# Altium PCB MAIN-VNH7070.PcbDoc (part 2 of 2)
Units mm, origin at the board's own origin, x right, y up, seen from the top; angles counter-clockwise.
Board outline 112.62 x 130 mm, 2 copper layers (Top Layer, Bottom Layer), stack 1.581 mm thick; 108 components, 95 nets, 431 pads, 926 vias.
Unrouted connection lines stored in the file: 8.
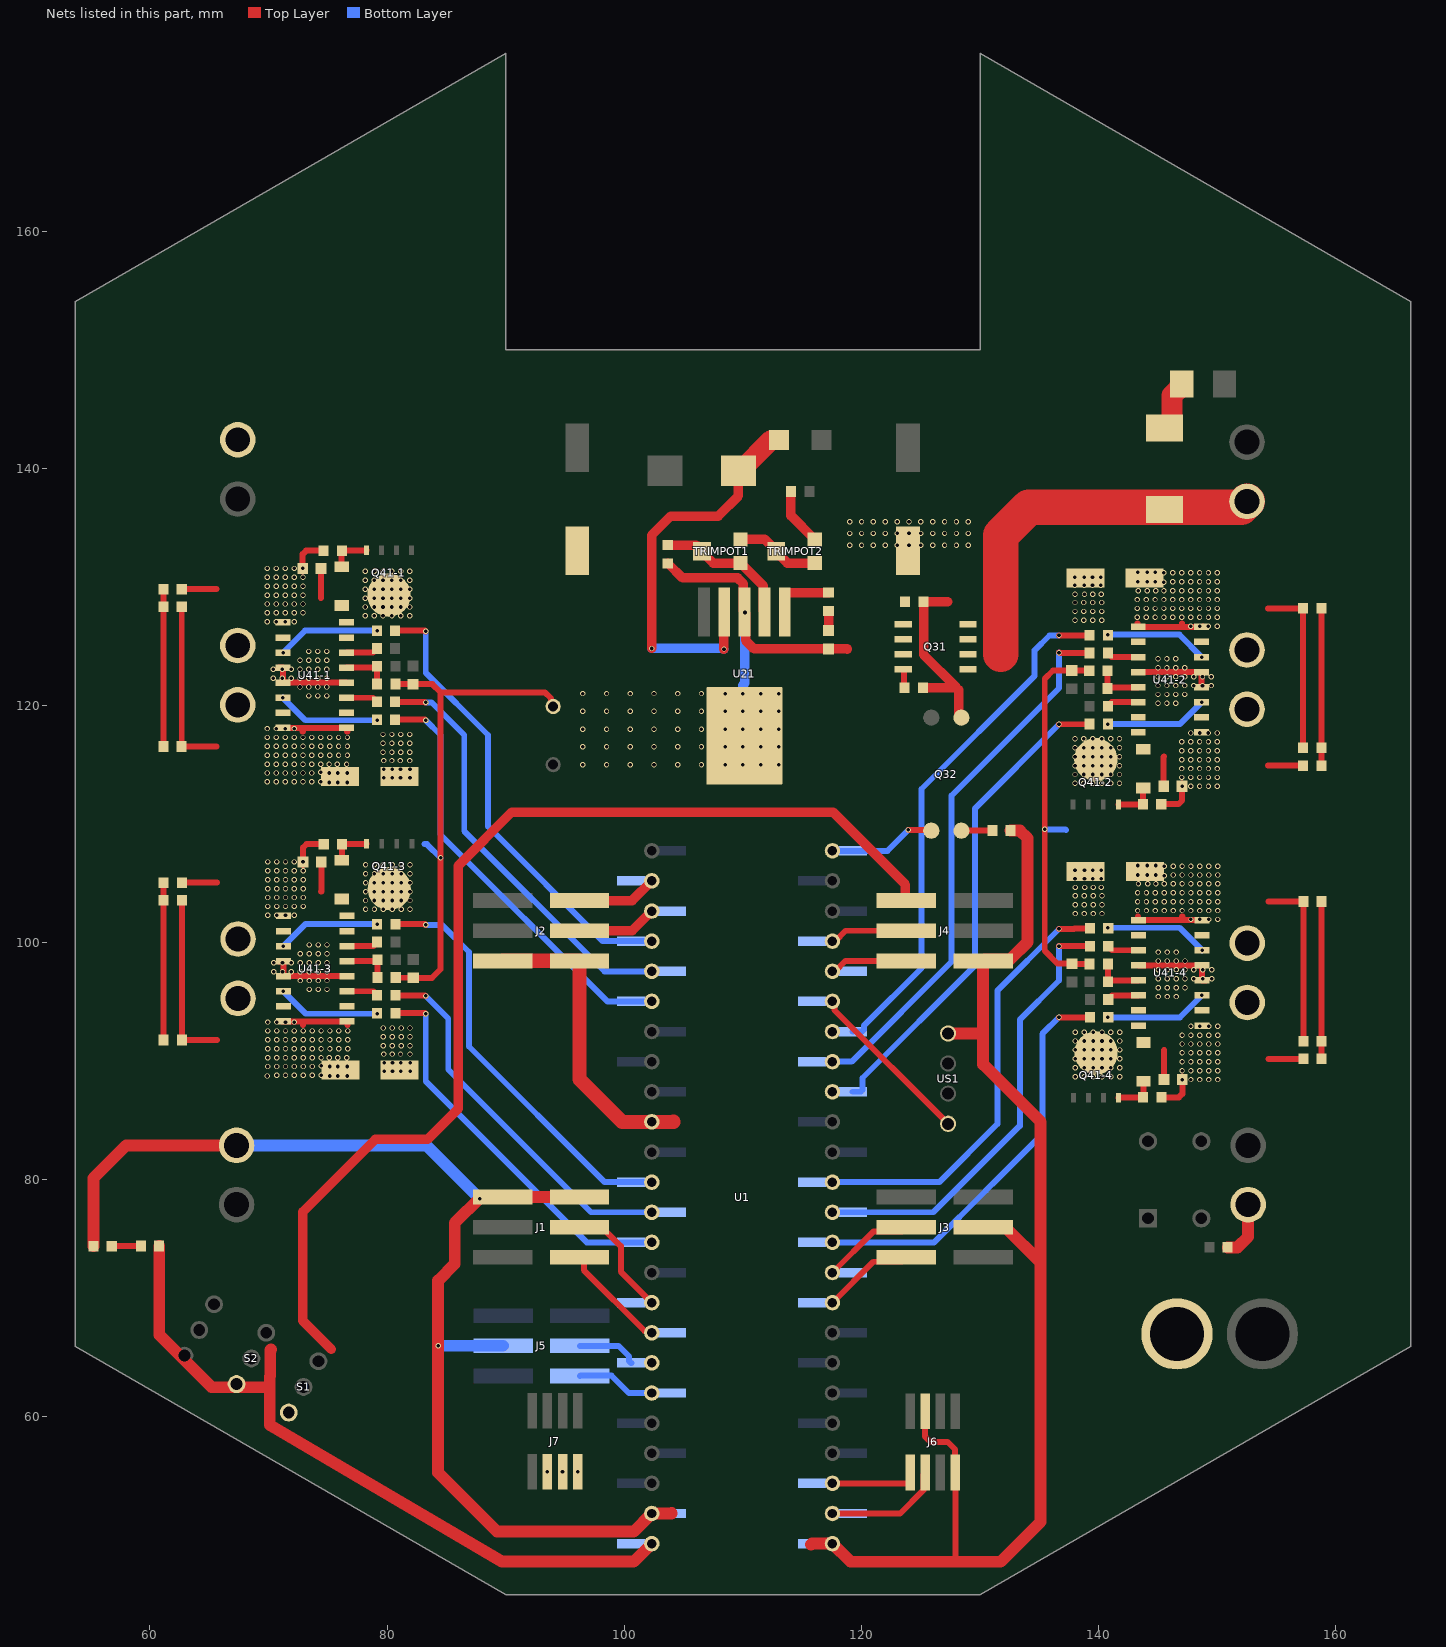
[diagram p2: the nets of this part, all layers, seen from the top]

## Via types
v1: diameter 0.45, hole 0.3, Top Layer to Bottom Layer, tented both sides, 918 vias
v2: diameter 6, hole 3, Top Layer to Bottom Layer, 8 vias

## Nets (pads, with @x,y where several pads share a name; then routed paths per layer and width w, separated by ;. In a path a pad name is that pad's centre, name@x,y a point inside that pad or via, vN(x,y) a via of type N, cw(c..) or ccw(c..) an arc to the next point about the centre after c; other vN are vias at no path point) (continued)
GND: BZ.2 C1.1 C2.1 C3.1 C41-1.1 C41-2.1 C41-3.1 C41-4.1 C42-1.1 C42-2.1 C42-3.1 C42-4.1 C43-1.2 C43-2.2 C43-3.2 C43-4.2 J1.3 J1.4 J2.1 J2.6 J3.5 J4.4 J5.2 J6.4 J6.7 J7.6 J7.7 J7.8 Q31.S R00.2 R01.2 R22.1 R32.1 R33.1 R47-1.1 R47-2.1 R47-3.1 R47-4.1 R48-1.1 R48-2.1 R48-3.1 R48-4.1 U1.GND U1.GND1 U1.GND3 U21.3 U21.6 U41-1.1 U41-1.8 U41-1.9 U41-1.16 U41-2.1 U41-2.8 U41-2.9 U41-2.16 U41-3.1 U41-3.8 U41-3.9 U41-3.16 U41-4.1 U41-4.8 U41-4.9 U41-4.16 US1.VCC XT1.N XT2.N XT3.N XT31.N | length 381.1
  Top Layer w0.5: U41-1.8@71.1,118.08 71.125,118.105 U41-1.8@71.225,118.105 U41-1.9@76.575,118.105 ; U41-3.8@71.125,93.33 71.15,93.355 U41-3.8@71.25,93.355 U41-3.9@76.6,93.355 ; 72.875,117.8 72.888,117.812 ; C43-1.2@72.875,131.3 C43-1.2@72.888,131.312 ; v1(72.875,131.55) 72.875,132.757 73.168,133.05 R48-1.1@74.625,133.05 R48-1.1@74.613,133.037 ; 72.9,93.05 72.913,93.062 ; C43-3.2@72.9,106.55 C43-3.2@72.913,106.562 ; v1(72.9,106.8) 72.9,108.007 73.193,108.3 R48-3.1@74.65,108.3 R48-3.1@74.638,108.287 ; 76.625,117.8 76.638,117.812 ; 76.65,93.05 76.663,93.062 ; R47-1.1@80.7,121.8 80.713,121.788 83.812,121.788 84.5,121.1 ; R47-3.1@80.725,97.05 80.738,97.038 82.188,97.038 C41-3.1@82.2,97.025 83.775,97.025 84.5,97.75 v1(84.5,107.15) 84.5,121.1 ; BZ.2@94.1,119.913 94.1,120.124 93.811,120.413 93.811,120.589 93.3,121.1 84.5,121.1 ; J6.7@125.365,60.486 125.365,58.335 125.8,57.9 127.25,57.9 127.89,57.26 127.89,55.329 J6.4@127.905,55.314 127.905,47.795 ; R47-2.1@139.2,122.925 139.187,122.937 136.138,122.937 135.45,122.25 v1(135.45,109.55) 135.45,99.3 136.525,98.225 C41-4.1@137.75,98.225 137.762,98.212 139.212,98.212 R47-4.1@139.225,98.2 ; 143.262,126.913 143.275,126.925 ; 143.287,102.188 143.3,102.2 ; U41-2.9@143.325,126.62 U41-2.8@148.675,126.62 148.775,126.62 U41-2.8@148.8,126.645 ; U41-4.9@143.35,101.895 U41-4.8@148.7,101.895 148.8,101.895 U41-4.8@148.825,101.92 ; R48-2.1@145.287,111.688 R48-2.1@145.275,111.675 146.732,111.675 147.025,111.968 v1(147.025,113.175) ; R48-4.1@145.312,86.963 R48-4.1@145.3,86.95 146.757,86.95 147.05,87.243 v1(147.05,88.45) ; C43-2.2@147.012,113.413 C43-2.2@147.025,113.425 ; 147.012,126.913 147.025,126.925 ; C43-4.2@147.037,88.688 C43-4.2@147.05,88.7 ; 147.037,102.188 147.05,102.2
  Top Layer w0.8: R22.1@103.65,131.975 103.675,131.95 103.7,131.95 104.904,130.746 109.551,130.746 110.02,130.277 110.02,127.985 U21.3@110.12,127.885 v1(110.17,127.835) 110.22,127.785 110.22,125.48 110.94,124.76 C2.1@117.195,124.76 ; C2.1@117.22,124.76 118.79,124.76 118.8,124.75
  Top Layer w1: R01.2@55.225,74.4 55.225,80.125 58,82.9 XT1.N@67,82.9 ; J1.3@96.225,78.54 J1.4@89.75,78.54 87.875,78.54 85.7,76.365 85.7,72.9 84.3,71.5 v1(84.3,66) 84.3,55.3 89.27,50.33 100.78,50.33 U1.GND@102.31,51.86 103.96,51.86 104,51.9 ; 115.75,49.25 115.82,49.32 U1.GND1@117.55,49.32 119.075,47.795 127.905,47.795 ; US1.VCC@127.3,92.34 130.21,92.34 130.25,92.3 ; 127.905,47.79 131.724,47.79 135.101,51.168 135.101,73.024 ; J3.5@130.25,76 132.125,76 135.101,73.024 ; R33.1@132.575,109.45 133.35,109.45 134,108.8 134,100.05 132.535,98.585 130.375,98.585 J4.4@130.25,98.46 130.25,92.3 ; R00.2@150.875,74.3 151.7,74.3 152.6,75.2 XT3.N@152.6,77.9 ; 130.25,92.3 130.25,89.73 135.101,84.878 135.101,73.024
  Top Layer w1.2: J2.6@89.75,98.46 J2.1@96.225,98.46 96.225,88.475 99.82,84.88 U1.GND3@102.31,84.88 104.13,84.88 104.15,84.9
  Bottom Layer w0.5: 83.15,108.3 83.35,108.3 v1(84.5,107.15) ; v1(135.45,109.55) 137.2,109.55 137.25,109.5
  Bottom Layer w0.8: v1(110,121) 109.981,121.019 109.981,121.681 110.17,121.87 v1(110.17,127.835)
  Bottom Layer w1: XT1.N@67,82.9 XT1.N@67.3,82.9 83.3,82.9 v1(87.8,78.4) ; v1(84.3,66) J5.2@89.775,66
  other v1: 93.515,55.364 94.785,55.364 96.055,55.364 147.775,88.45 148.525,88.45 149.275,88.45 150.025,88.45 69.9,88.75 75.15,88.75 75.85,88.75 76.65,88.75 70.675,88.8 71.425,88.8 72.175,88.8 72.925,88.8 73.675,88.8 74.425,88.8 147.025,89.2 147.775,89.2 148.525,89.2 149.275,89.2 150.025,89.2 69.925,89.55 70.675,89.55 71.425,89.55 72.175,89.55 72.925,89.55 73.675,89.55 75.15,89.55 75.85,89.55 76.65,89.55 74.425,89.6 147.025,89.95 147.775,89.95 148.525,89.95 149.275,89.95 150.025,89.95 69.925,90.3 70.675,90.3 71.425,90.3 72.175,90.3 72.925,90.3 73.675,90.3 74.425,90.3 75.125,90.3 75.825,90.3 76.6,90.3 147.025,90.7 147.775,90.7 148.525,90.7 149.275,90.7 150.025,90.7 69.925,91.05 70.675,91.05 71.425,91.05 72.175,91.05 72.925,91.05 73.675,91.05 74.425,91.05 75.175,91.05 75.925,91.05 76.675,91.05 147.025,91.45 147.775,91.45 148.525,91.45 149.275,91.45 150.025,91.45 69.925,91.8 70.675,91.8 71.425,91.8 72.175,91.8 72.925,91.8 73.675,91.8 74.425,91.8 75.175,91.8 75.925,91.8 76.675,91.8 147.025,92.2 147.775,92.2 148.525,92.2 149.275,92.2 150.025,92.2 69.925,92.55 70.675,92.55 71.425,92.55 72.175,92.55 72.925,92.55 73.675,92.55 74.425,92.55 75.175,92.55 75.925,92.55 76.675,92.55 147.775,92.95 148.525,92.95 149.275,92.95 150.025,92.95 69.925,93.3 70.675,93.3 71.425,93.3 72.175,93.3 147.775,101.95 148.525,101.95 149.275,101.95 150.025,101.95 69.925,102.3 70.675,102.3 71.425,102.3 72.175,102.3 143.275,102.7 144.025,102.7 144.775,102.7 145.525,102.7 146.275,102.7 147.025,102.7 147.775,102.7 148.525,102.7 149.275,102.7 150.025,102.7 69.925,103.05 70.675,103.05 71.425,103.05 72.175,103.05 72.925,103.05 143.275,103.45 144.025,103.45 144.775,103.45 145.525,103.45 146.275,103.45 147.025,103.45 147.775,103.45 148.525,103.45 149.275,103.45 150.025,103.45 69.925,103.8 70.675,103.8 71.425,103.8 72.175,103.8 72.925,103.8 143.275,104.2 144.025,104.2 144.775,104.2 145.525,104.2 146.275,104.2 147.025,104.2 147.775,104.2 148.525,104.2 149.275,104.2 150.025,104.2 69.925,104.55 70.675,104.55 71.425,104.55 72.175,104.55 72.925,104.55 143.35,104.95 144.125,104.95 144.825,104.95 145.525,104.95 146.275,104.95 147.025,104.95 147.775,104.95 148.525,104.95 149.275,104.95 150.025,104.95 69.925,105.3 70.675,105.3 71.425,105.3 72.175,105.3 72.925,105.3 145.525,105.65 143.3,105.7 144.1,105.7 144.8,105.7 146.275,105.7 147.025,105.7 147.775,105.7 148.525,105.7 149.275,105.7 150.025,105.7 69.925,106.05 70.675,106.05 71.425,106.05 72.175,106.05 72.925,106.05 145.525,106.45 146.275,106.45 147.025,106.45 147.775,106.45 148.525,106.45 149.275,106.45 150.025,106.45 143.3,106.5 144.1,106.5 144.8,106.5 69.925,106.8 70.675,106.8 71.425,106.8 72.175,106.8 147.75,113.175 148.5,113.175 149.25,113.175 150,113.175 75.125,113.5 75.825,113.5 76.625,113.5 69.9,113.55 70.65,113.55 71.4,113.55 72.15,113.55 72.9,113.55 73.65,113.55 74.4,113.55 147,113.925 147.75,113.925 148.5,113.925 149.25,113.925 150,113.925 69.9,114.3 70.65,114.3 71.4,114.3 72.15,114.3 72.9,114.3 73.65,114.3 75.125,114.3 75.825,114.3 76.625,114.3 74.4,114.35 147,114.675 147.75,114.675 148.5,114.675 149.25,114.675 150,114.675 96.5,115 98.5,115 100.5,115 102.5,115 104.5,115 106.5,115 108.5,115 110,115 111.5,115 113,115 69.9,115.05 70.65,115.05 71.4,115.05 72.15,115.05 72.9,115.05 73.65,115.05 74.4,115.05 75.1,115.05 75.8,115.05 76.575,115.05 147,115.425 147.75,115.425 148.5,115.425 149.25,115.425 150,115.425 69.9,115.8 70.65,115.8 71.4,115.8 72.15,115.8 72.9,115.8 73.65,115.8 74.4,115.8 75.15,115.8 75.9,115.8 76.65,115.8 147,116.175 147.75,116.175 148.5,116.175 149.25,116.175 150,116.175 96.5,116.5 98.5,116.5 100.5,116.5 102.5,116.5 104.5,116.5 106.5,116.5 108.5,116.5 110,116.5 111.5,116.5 113,116.5 69.9,116.55 70.65,116.55 71.4,116.55 72.15,116.55 72.9,116.55 73.65,116.55 74.4,116.55 75.15,116.55 75.9,116.55 76.65,116.55 147,116.925 147.75,116.925 148.5,116.925 149.25,116.925 150,116.925 69.9,117.3 70.65,117.3 71.4,117.3 72.15,117.3 72.9,117.3 73.65,117.3 74.4,117.3 75.15,117.3 75.9,117.3 76.65,117.3 147.75,117.675 148.5,117.675 149.25,117.675 150,117.675 96.5,118 98.5,118 100.5,118 102.5,118 104.5,118 106.5,118 108.5,118 110,118 111.5,118 113,118 69.9,118.05 70.65,118.05 71.4,118.05 72.15,118.05 96.5,119.5 98.5,119.5 100.5,119.5 102.5,119.5 104.5,119.5 106.5,119.5 108.5,119.5 110,119.5 111.5,119.5 113,119.5 96.5,121 98.5,121 100.5,121 102.5,121 104.5,121 106.5,121 108.5,121 111.5,121 113,121 147.75,126.675 148.5,126.675 149.25,126.675 150,126.675 69.9,127.05 70.65,127.05 71.4,127.05 72.15,127.05 143.25,127.425 144,127.425 144.75,127.425 145.5,127.425 146.25,127.425 147,127.425 147.75,127.425 148.5,127.425 149.25,127.425 150,127.425 69.9,127.8 70.65,127.8 71.4,127.8 72.15,127.8 72.9,127.8 143.25,128.175 144,128.175 144.75,128.175 145.5,128.175 146.25,128.175 147,128.175 147.75,128.175 148.5,128.175 149.25,128.175 150,128.175 69.9,128.55 70.65,128.55 71.4,128.55 72.15,128.55 72.9,128.55 143.25,128.925 144,128.925 144.75,128.925 145.5,128.925 146.25,128.925 147,128.925 147.75,128.925 148.5,128.925 149.25,128.925 150,128.925 69.9,129.3 70.65,129.3 71.4,129.3 72.15,129.3 72.9,129.3 143.325,129.675 144.1,129.675 144.8,129.675 145.5,129.675 146.25,129.675 147,129.675 147.75,129.675 148.5,129.675 149.25,129.675 150,129.675 69.9,130.05 70.65,130.05 71.4,130.05 72.15,130.05 72.9,130.05 145.5,130.375 143.275,130.425 144.075,130.425 144.775,130.425 146.25,130.425 147,130.425 147.75,130.425 148.5,130.425 149.25,130.425 150,130.425 69.9,130.8 70.65,130.8 71.4,130.8 72.15,130.8 72.9,130.8 145.5,131.175 146.25,131.175 147,131.175 147.75,131.175 148.5,131.175 149.25,131.175 150,131.175 143.275,131.225 144.075,131.225 144.775,131.225 69.9,131.55 70.65,131.55 71.4,131.55 72.15,131.55 119,133.5 120,133.5 121,133.5 122,133.5 123,133.5 124,133.5 125,133.5 126,133.5 127,133.5 128,133.5 129,133.5 119,134.5 120,134.5 121,134.5 122,134.5 123,134.5 124,134.5 125,134.5 126,134.5 127,134.5 128,134.5 129,134.5 119,135.5 120,135.5 121,135.5 122,135.5 123,135.5 124,135.5 125,135.5 126,135.5 127,135.5 128,135.5 129,135.5
INA-1: R41-1.1 U1.36 | length 39
  Top Layer w0.5: R41-1.1@80.675,126.3 83.173,126.3 83.223,126.25 v1(83.25,126.25)
  Bottom Layer w0.5: v1(83.25,126.25) 83.25,122.75 88.5,117.5 88.5,109.8 98.18,100.12 U1.36@100.6,100.12 U1.36@102.31,100.12
INA-2: R41-2.1 U1.24 | length 41.2
  Top Layer w0.5: v1(136.65,118.4) 136.663,118.412 139.212,118.412 R41-2.1@139.225,118.425
  Bottom Layer w0.5: U1.24@119.25,87.42 119.93,87.42 120.08,87.57 120.08,88.58 129.55,98.05 129.55,111.3 v1(136.65,118.4)
INA-3: R41-3.1 U1.14 | length 35.3
  Top Layer w0.5: R41-3.1@80.7,101.55 83.173,101.55 83.223,101.5 v1(83.25,101.5)
  Bottom Layer w0.5: v1(83.25,101.5) 84.6,101.5 86.9,99.2 86.9,91.24 98.34,79.8 U1.14@102.31,79.8
INA-4: R41-4.1 U1.9 | length 34.5
  Top Layer w0.5: v1(136.65,93.7) R41-4.1@139.25,93.7
  Bottom Layer w0.5: U1.9@117.55,74.72 126.12,74.72 130.496,79.096 130.496,79.116 131.084,79.704 131.104,79.704 135.25,83.85 135.25,92.3 v1(136.65,93.7)
INB-1: R42-1.1 U1.38 | length 36.4
  Top Layer w0.5: R42-1.1@80.675,118.8 83.173,118.8 83.223,118.75 v1(83.25,118.75)
  Bottom Layer w0.5: v1(83.25,118.75) 84.5,117.5 84.5,109.1 98.56,95.04 U1.38@100.6,95.04 U1.38@102.31,95.04
INB-2: R42-2.1 U1.26 | length 44.1
  Top Layer w0.5: v1(136.65,125.9) 136.663,125.912 139.212,125.912 R42-2.1@139.225,125.925
  Bottom Layer w0.5: U1.26@119.25,92.5 120.05,92.5 120.2,92.65 120.2,93 125.05,97.85 125.05,112.95 134.6,122.5 134.6,124.65 135.85,125.9 v1(136.65,125.9)
INB-3: R42-3.1 U1.16 | length 33
  Top Layer w0.5: R42-3.1@80.7,94.05 83.173,94.05 83.223,94 v1(83.25,94)
  Bottom Layer w0.5: v1(83.25,94) 83.25,88.3 96.83,74.72 U1.16@102.31,74.72
INB-4: R42-4.1 U1.11 | length 37.2
  Top Layer w0.5: v1(136.65,101.15) 137.9,101.15 137.95,101.2 R42-4.1@139.25,101.2
  Bottom Layer w0.5: U1.11@117.55,79.8 126.55,79.8 131.45,84.7 131.45,95.95 v1(136.65,101.15)
MID_3V: DM.A S2.1 U1.VIN | length 61
  Top Layer w1: DM.A@60.776,74.409 60.776,66.924 65.2,62.5 70.1,62.5 ; 70.2,65.7 70.141,65.641 70.141,63.446 70.1,63.405 70.1,62.5 ; U1.VIN@102.31,49.32 102.304,49.32 100.784,47.8 89.707,47.8 70.1,59.315 70.1,62.5
NetC2_2: C2.2 R21.1 | length 1.7
  Top Layer w0.8: C2.2@117.22,126.31 R21.1@117.22,127.96
NetD1_2: D1.2 L1.2 U21.4 | length 34
  Top Layer w0.8: v1(102.3,124.8) 102.3,134.35 103.9,135.95 107.9,135.95 109.62,137.67 L1.2@109.62,139.785 ; v1(108.4,124.75) 108.4,125.275 108.394,125.269 108.394,127.859 U21.4@108.42,127.885
  Top Layer w1.7: L1.2@109.795,139.785 112.395,142.385 D1.2@113.03,142.385
  Bottom Layer w0.8: v1(102.3,124.8) 108.35,124.8 v1(108.4,124.75)
NetD31_C: D31.C D32.C | length 4.5
  Top Layer w1.8: D32.C@145.55,143.38 145.932,143.38 146.177,143.625 146.177,146.127 147,146.95 D31.C@147,147.1
NetD32_A: D32.A Q31.D XT32.N | length 31.7
  Top Layer w3: 131.75,124.3 131.75,134.35 134.1,136.7 D32.A@145.49,136.7 ; D32.A@145.73,136.7 152,136.7 XT32.N@152.5,137.2
NetD41-1_2: D41-1.2 Q41-1.4 R48-1.2 | length 3.4
  Top Layer w0.5: D41-1.2@76.15,131.685 76.163,131.697 76.163,133.037 R48-1.2@76.175,133.05 ; R48-1.2@76.192,133.067 78.228,133.067 Q41-1.4@78.245,133.085
NetD41-2_2: D41-2.2 Q41-2.4 R48-2.2 | length 3.4
  Top Layer w0.5: Q41-2.4@141.655,111.64 141.672,111.658 R48-2.2@143.708,111.658 ; R48-2.2@143.725,111.675 143.737,111.688 143.737,113.028 D41-2.2@143.75,113.04
NetD41-3_2: D41-3.2 Q41-3.4 R48-3.2 | length 3.4
  Top Layer w0.5: D41-3.2@76.175,106.935 76.188,106.948 76.188,108.287 R48-3.2@76.2,108.3 ; R48-3.2@76.217,108.317 78.253,108.317 Q41-3.4@78.27,108.335
NetD41-4_2: D41-4.2 Q41-4.4 R48-4.2 | length 3.4
  Top Layer w0.5: Q41-4.4@141.68,86.915 141.697,86.933 R48-4.2@143.733,86.933 ; R48-4.2@143.75,86.95 143.762,86.963 143.762,88.303 D41-4.2@143.775,88.315
NetD42-1_C: D42-1.C D43-1.A R49-1.1 | length 13.3
  Top Layer w0.5: D43-1.A@61.124,116.541 61.125,116.542 D42-1.C@61.126,128.309 D42-1.C@61.126,128.309 ; D42-1.C@61.126,128.309 R49-1.1@61.125,129.8
NetD42-2_C: D42-2.C D43-2.A R49-2.1 | length 13.3
  Top Layer w0.5: R49-2.1@158.775,114.925 158.774,116.416 158.775,116.417 D43-2.A@158.776,128.184 D43-2.A@158.776,128.184
NetD42-3_C: D42-3.C D43-3.A R49-3.1 | length 13.3
  Top Layer w0.5: D43-3.A@61.149,91.791 61.15,91.792 D42-3.C@61.151,103.559 D42-3.C@61.151,103.559 ; D42-3.C@61.151,103.559 R49-3.1@61.15,105.05
NetD42-4_C: D42-4.C D43-4.A R49-4.1 | length 13.3
  Top Layer w0.5: D42-4.C@158.799,91.691 158.8,91.692 158.8,103.458 D43-4.A@158.801,103.459 ; R49-4.1@158.799,90.201 D42-4.C@158.799,91.691
NetDM_C: DM.C R01.1 | length 2.5
  Top Layer w0.5: R01.1@56.783,74.408 R01.1@56.775,74.4 56.779,74.404 59.222,74.404 DM.C@59.226,74.409
NetQ31_G: Q31.G R31.2 | length 1.6
  Top Layer w0.5: Q31.G@123.524,123.034 123.545,123.034 123.574,123.005 123.574,121.551 R31.2@123.625,121.5
NetQ32_2: Q32.2 R33.2 | length 2.6
  Top Layer w0.3: R33.2@131.01,109.435 R33.2@131.025,109.45
  Top Layer w0.5: Q32.2@128.42,109.435 R33.2@131.01,109.435
NetQ32_3: Q32.3 R31.1 R32.2 | length 15.7
  Top Layer w0.8: R31.1@125.175,121.5 128,121.5 125.225,124.275 R32.2@125.225,128.75 127.275,128.75 ; 128.2,121.3 128.2,119.339 128.42,119.119 Q32.3@128.42,118.965
NetR21_2: R21.2 U21.1 | length 5.3
  Top Layer w0.8: U21.1@113.52,127.885 113.52,129.41 113.62,129.51 R21.2@117.22,129.51
NetR22_2: R22.2 TRIMPOT1.1 TRIMPOT1.2 U21.2 | length 11.8
  Top Layer w0.8: R22.2@103.65,133.525 106.075,133.525 106.55,133.05 TRIMPOT1.2@106.55,133 106.55,132.95 107.5,132 TRIMPOT1.1@109.8,132 111.72,130.08 111.72,127.985 U21.2@111.82,127.885
NetR23_1: R23.1 TRIMPOT2.3 | length 4.9
  Top Layer w0.8: R23.1@114.045,138.035 114.045,136.005 TRIMPOT2.3@116.05,134
NetR41-1_2: R41-1.2 U41-1.3 | length 8.7
  Bottom Layer w0.5: v1(71.225,124.455) 73.07,126.3 v1@79.123,126.3
  other v1: 79.15,126.3
NetR41-2_2: R41-2.2 U41-2.3 | length 8.7
  Bottom Layer w0.5: v1@140.777,118.425 146.83,118.425 v1(148.675,120.27)
  other v1: 140.75,118.425
NetR41-3_2: R41-3.2 U41-3.3 | length 8.7
  Bottom Layer w0.5: v1(71.25,99.705) 73.095,101.55 v1@79.148,101.55
  other v1: 79.175,101.55
NetR41-4_2: R41-4.2 U41-4.3 | length 8.7
  Bottom Layer w0.5: v1@140.802,93.7 146.855,93.7 v1(148.7,95.545)
  other v1: 140.775,93.7
NetR42-1_2: R42-1.2 U41-1.6 | length 8.7
  Bottom Layer w0.5: v1(71.2,120.65) 73.1,118.75 v1(79.15,118.75)
NetR42-2_2: R42-2.2 U41-2.6 | length 8.7
  Bottom Layer w0.5: v1(140.75,125.975) 146.8,125.975 v1(148.7,124.075)
NetR42-3_2: R42-3.2 U41-3.6 | length 8.7
  Bottom Layer w0.5: v1(71.225,95.9) 73.125,94 v1(79.175,94)
NetR42-4_2: R42-4.2 U41-4.6 | length 8.7
  Bottom Layer w0.5: v1(140.775,101.25) 146.825,101.25 v1(148.725,99.35)
NetR43-1_2: R43-1.2 U41-1.11 | length 2.7
  Top Layer w0.5: U41-1.11@76.575,120.645 78.805,120.645 79.125,120.325 R43-1.2@79.125,120.3
NetR43-2_2: R43-2.2 U41-2.11 | length 2.7
  Top Layer w0.5: R43-2.2@140.775,124.425 140.775,124.4 141.095,124.08 U41-2.11@143.325,124.08
NetR43-3_2: R43-3.2 U41-3.11 | length 2.7
  Top Layer w0.5: U41-3.11@76.6,95.895 78.83,95.895 79.15,95.575 R43-3.2@79.15,95.55
NetR43-4_2: R43-4.2 U41-4.11 | length 2.7
  Top Layer w0.5: R43-4.2@140.8,99.7 140.8,99.675 141.12,99.355 U41-4.11@143.35,99.355
NetR45-1_2: R45-1.2 U41-1.14 | length 2.7
  Top Layer w0.5: U41-1.14@76.575,124.455 78.805,124.455 79.125,124.775 R45-1.2@79.125,124.8
NetR45-2_2: R45-2.2 U41-2.14 | length 2.7
  Top Layer w0.5: R45-2.2@140.775,119.925 140.775,119.95 141.095,120.27 U41-2.14@143.325,120.27
NetR45-3_2: R45-3.2 U41-3.14 | length 2.7
  Top Layer w0.5: U41-3.14@76.6,99.705 78.83,99.705 79.15,100.025 R45-3.2@79.15,100.05
NetR45-4_2: R45-4.2 U41-4.14 | length 2.7
  Top Layer w0.5: R45-4.2@140.8,95.2 140.8,95.225 141.12,95.545 U41-4.14@143.35,95.545
NetR46-1_2: R46-1.2 R47-1.2 U41-1.13 | length 4.1
  Top Layer w0.5: U41-1.13@76.575,123.185 76.6,123.21 79.06,123.21 R46-1.2@79.15,123.3 R47-1.2@79.15,121.8
NetR46-2_2: R46-2.2 R47-2.2 U41-2.13 | length 4.1
  Top Layer w0.5: R47-2.2@140.75,122.925 R46-2.2@140.75,121.425 140.84,121.515 143.3,121.515 U41-2.13@143.325,121.54
NetR46-3_2: R46-3.2 R47-3.2 U41-3.13 | length 4.1
  Top Layer w0.5: U41-3.13@76.6,98.435 76.625,98.46 79.085,98.46 R46-3.2@79.175,98.55 R47-3.2@79.175,97.05
NetR46-4_2: R46-4.2 R47-4.2 U41-4.13 | length 4.1
  Top Layer w0.5: R47-4.2@140.775,98.2 R46-4.2@140.775,96.7 140.865,96.79 143.325,96.79 U41-4.13@143.35,96.815
NetTRIMPOT1_3: TRIMPOT1.3 TRIMPOT2.1 TRIMPOT2.2 | length 7.1
  Top Layer w0.8: TRIMPOT1.3@109.8,134 111.85,134 112.8,133.05 TRIMPOT2.2@112.8,133 112.8,132.95 113.75,132 TRIMPOT2.1@116.05,132
OPTO: Q32.1 U1.32 | length 9.1
  Top Layer w0.3: Q32.1@125.815,109.5 Q32.1@125.88,109.435
  Top Layer w0.5: v1(123.95,109.5) Q32.1@125.815,109.5
  Bottom Layer w0.5: U1.32@117.55,107.74 U1.32@119.25,107.74 122.19,107.74 v1(123.95,109.5)
OUTA-1: D42-1.A D43-1.C U41-1.7 U41-1.10 XT?-1.P | length 14.7
  Top Layer w0.5: D43-1.C@62.674,116.541 D43-1.C@62.675,116.542 ; D42-1.A@62.676,128.309 62.675,128.308 D43-1.C@62.675,116.542 ; 65.625,116.55 62.683,116.55 D43-1.C@62.675,116.542
OUTA-2: D42-2.A D43-2.C U41-2.7 U41-2.10 XT?-2.P | length 14.7
  Top Layer w0.5: 154.275,128.175 157.217,128.175 D43-2.C@157.226,128.184 ; D42-2.A@157.224,116.416 157.225,116.417 D43-2.C@157.226,128.184 ; D43-2.C@157.226,128.184 D43-2.C@157.226,128.184
OUTA-3: D42-3.A D43-3.C U41-3.7 U41-3.10 XT?-3.P | length 14.7
  Top Layer w0.5: D43-3.C@62.699,91.791 D43-3.C@62.7,91.792 ; D42-3.A@62.701,103.559 D42-3.A@62.701,103.559 D43-3.C@62.7,91.792 ; 65.65,91.8 62.708,91.8 D43-3.C@62.7,91.792
OUTA-4: D42-4.A D43-4.C U41-4.7 U41-4.10 XT?-4.P | length 14.7
  Top Layer w0.5: 154.3,103.45 157.242,103.45 D43-4.C@157.25,103.458 ; D42-4.A@157.249,91.691 D42-4.A@157.249,91.691 D43-4.C@157.25,103.458 ; D43-4.C@157.251,103.459 D43-4.C@157.25,103.458
OUTB-1: R49-1.2 U41-1.2 U41-1.15 XT?-1.N | length 2.9
  Top Layer w0.5: R49-1.2@62.675,129.8 65.625,129.8
OUTB-2: R49-2.2 U41-2.2 U41-2.15 XT?-2.N | length 2.9
  Top Layer w0.5: 154.275,114.925 R49-2.2@157.225,114.925
OUTB-3: R49-3.2 U41-3.2 U41-3.15 XT?-3.N | length 2.9
  Top Layer w0.5: R49-3.2@62.7,105.05 65.65,105.05
OUTB-4: R49-4.2 U41-4.2 U41-4.15 XT?-4.N | length 2.9
  Top Layer w0.5: 154.3,90.2 R49-4.2@157.25,90.2
PWM-1: R43-1.1 U1.37 | length 35.8
  Top Layer w0.5: R43-1.1@80.675,120.3 83.173,120.3 83.223,120.25 v1(83.25,120.25)
  Bottom Layer w0.5: v1(83.25,120.25) 83.75,120.25 86.5,117.5 86.5,109.4 98.32,97.58 U1.37@102.31,97.58
PWM-2: R43-2.1 U1.25 | length 45.9
  Top Layer w0.5: v1(136.65,124.45) 136.677,124.45 136.715,124.412 139.05,124.412 139.062,124.425 R43-2.1@139.225,124.425
  Bottom Layer w0.5: U1.25@117.55,89.96 119.16,89.96 127.6,98.4 127.6,112.4 136.65,121.45 v1(136.65,124.45)
PWM-3: R43-3.1 U1.15 | length 31.7
  Top Layer w0.5: R43-3.1@80.7,95.55 83.173,95.55 83.223,95.5 v1(83.25,95.5)
  Bottom Layer w0.5: v1(83.25,95.5) 85.15,93.6 85.15,89.3 97.19,77.26 U1.15@102.31,77.26
PWM-4: R43-4.1 U1.10 | length 37.9
  Top Layer w0.5: v1(136.65,99.7) R43-4.1@139.25,99.7
  Bottom Layer w0.5: U1.10@117.55,77.26 U1.10@119.25,77.26 126.06,77.26 133.35,84.55 133.35,93.5 136.65,96.8 v1(136.65,99.7)
REV: U1.27 US1.SDA | length 14.4
  Top Layer w0.5: U1.27@117.55,95.04 117.705,94.885 117.705,94.315 US1.SDA@127.3,84.72
RX_BALL: J4.3 U1.28 | length 6.6
  Top Layer w0.5: U1.28@117.55,97.58 117.769,97.58 118.649,98.46 J4.3@123.775,98.46
RX_CAM: J2.3 U1.34 | length 6.8
  Top Layer w0.8: J2.3@96.225,103.54 100.65,103.54 U1.34@102.31,105.2
RX_DISPLAY: J6.2 U1.0 | length 10
  Top Layer w0.5: U1.0@117.55,51.86 123.254,51.86 125.215,53.821 125.215,55.164 J6.2@125.365,55.314
RX_IMU: J3.2 U1.8 | length 7.8
  Top Layer w0.5: U1.8@117.55,72.18 120.995,75.625 123.4,75.625 J3.2@123.775,76
RX_LINE: J5.6 U1.21 | length 6.7
  Bottom Layer w0.5: J5.6@96.25,63.46 96.29,63.5 98.9,63.5 100.38,62.02 U1.21@102.31,62.02
SCL_TOP: J1.1 U1.19 | length 9.1
  Top Layer w0.5: J1.1@96.225,73.46 96.585,73.1 96.585,72.378 101.709,67.255 102.155,67.255 U1.19@102.31,67.1
SDA_TOP: J1.2 U1.18 | length 10
  Top Layer w0.5: J1.2@96.225,76 98.1,76 99.7,74.4 99.7,72.25 U1.18@102.31,69.64
TOP_3V: J4.1 S1.1 | length 93.3
  Top Layer w0.8: 75.3,65.7 72.9,68.1 72.9,77.3 79,83.4 83.4,83.4 86,86 86,106.5 90.5,111 117.6,111 123.704,104.896 123.704,103.611 J4.1@123.775,103.54
TX_BALL: J4.2 U1.29 | length 6.6
  Top Layer w0.5: U1.29@117.55,100.12 117.769,100.12 118.649,101 J4.2@123.775,101
TX_CAM: J2.2 U1.35 | length 6.9
  Top Layer w0.8: J2.2@96.29,101.065 J2.2@96.225,101 100.65,101 U1.35@102.31,102.66
TX_DISPLAY: J6.1 U1.1 | length 7.4
  Top Layer w0.5: U1.1@117.55,54.4 123.945,54.4 124.095,54.55 J6.1@124.095,55.314
TX_IMU: J3.3 U1.7 | length 7.8
  Top Layer w0.5: U1.7@117.55,69.64 120.995,73.085 123.4,73.085 J3.3@123.775,73.46
TX_LINE: J5.5 U1.20 | length 5.2
  Bottom Layer w0.5: J5.5@96.25,66 99.5,66 100.4,65.1 100.4,64.71 100.55,64.56 U1.20@100.6,64.56
VC-1: C42-1.2 C43-1.1 D41-1.1 Q41-1.5 U41-1.4 U41-1.5 U41-1.12 | length 9.5
  Top Layer w0.5: U41-1.4@70.85,123.16 70.875,123.185 U41-1.4@71.225,123.185 71.225,122.55 U41-1.5@71.225,121.915 U41-1.12@76.575,121.915 ; 74.4,129.05 74.425,129.075 C43-1.1@74.425,131.55
  other v1: 79.725,113.9 80.425,113.9 81.125,113.9 81.925,113.9 79.725,114.6 80.425,114.6 81.125,114.6 81.925,114.6 79.7,115.35 80.4,115.35 81.1,115.35 81.9,115.35 79.65,116.05 80.4,116.05 81.15,116.05 81.9,116.05 79.65,116.8 80.4,116.8 81.15,116.8 81.9,116.8 79.65,117.55 80.4,117.55 81.15,117.55 81.9,117.55 73.4,120.8 74.15,120.8 74.9,120.8 72.65,121.55 73.4,121.55 74.15,121.55 74.9,121.55 70.4,122.3 71.15,122.3 71.9,122.3 72.65,122.3 73.4,122.3 74.15,122.3 74.9,122.3 70.4,123.05 71.15,123.05 71.9,123.05 72.65,123.05 73.4,123.05 74.15,123.05 74.9,123.05 72.65,123.8 73.4,123.8 74.15,123.8 74.9,123.8 73.4,124.55 74.15,124.55 74.9,124.55 78.15,127.55 78.9,127.55 79.65,127.55 80.4,127.55 81.15,127.55 81.9,127.55 78.15,128.3 78.9,128.3 79.65,128.3 80.4,128.3 81.15,128.3 81.9,128.3 78.15,129.05 78.9,129.05 79.65,129.05 80.4,129.05 81.15,129.05 81.9,129.05 78.15,129.8 78.9,129.8 79.65,129.8 80.4,129.8 81.15,129.8 81.9,129.8 78.15,130.55 78.9,130.55 79.65,130.55 80.4,130.55 81.15,130.55 81.9,130.55 78.15,131.3 78.9,131.3 79.65,131.3 80.4,131.3 81.15,131.3 81.9,131.3
VC-2: C42-2.2 C43-2.1 D41-2.1 Q41-2.5 U41-2.4 U41-2.5 U41-2.12 | length 9.5
  Top Layer w0.5: U41-2.12@143.325,122.81 U41-2.5@148.675,122.81 148.675,122.175 U41-2.4@148.675,121.54 149.025,121.54 U41-2.4@149.05,121.565 ; C43-2.1@145.475,113.175 145.475,115.65 145.5,115.675
  other v1: 138,113.425 138.75,113.425 139.5,113.425 140.25,113.425 141,113.425 141.75,113.425 138,114.175 138.75,114.175 139.5,114.175 140.25,114.175 141,114.175 141.75,114.175 138,114.925 138.75,114.925 139.5,114.925 140.25,114.925 141,114.925 141.75,114.925 138,115.675 138.75,115.675 139.5,115.675 140.25,115.675 141,115.675 141.75,115.675 138,116.425 138.75,116.425 139.5,116.425 140.25,116.425 141,116.425 141.75,116.425 138,117.175 138.75,117.175 139.5,117.175 140.25,117.175 141,117.175 141.75,117.175 145,120.175 145.75,120.175 146.5,120.175 145,120.925 145.75,120.925 146.5,120.925 147.25,120.925 145,121.675 145.75,121.675 146.5,121.675 147.25,121.675 148,121.675 148.75,121.675 149.5,121.675 145,122.425 145.75,122.425 146.5,122.425 147.25,122.425 148,122.425 148.75,122.425 149.5,122.425 145,123.175 145.75,123.175 146.5,123.175 147.25,123.175 145,123.925 145.75,123.925 146.5,123.925 138,127.175 138.75,127.175 139.5,127.175 140.25,127.175 138,127.925 138.75,127.925 139.5,127.925 140.25,127.925 138,128.675 138.75,128.675 139.5,128.675 140.25,128.675 138,129.375 138.8,129.375 139.5,129.375 140.2,129.375 137.975,130.125 138.775,130.125 139.475,130.125 140.175,130.125 137.975,130.825 138.775,130.825 139.475,130.825 140.175,130.825
VC-3: C42-3.2 C43-3.1 D41-3.1 Q41-3.5 U41-3.4 U41-3.5 U41-3.12 | length 9.5
  Top Layer w0.5: U41-3.4@70.875,98.41 70.9,98.435 U41-3.4@71.25,98.435 71.25,97.8 U41-3.5@71.25,97.165 U41-3.12@76.6,97.165 ; 74.425,104.3 74.45,104.325 C43-3.1@74.45,106.8
  other v1: 79.75,89.15 80.45,89.15 81.15,89.15 81.95,89.15 79.75,89.85 80.45,89.85 81.15,89.85 81.95,89.85 79.725,90.6 80.425,90.6 81.125,90.6 81.925,90.6 79.675,91.3 80.425,91.3 81.175,91.3 81.925,91.3 79.675,92.05 80.425,92.05 81.175,92.05 81.925,92.05 79.675,92.8 80.425,92.8 81.175,92.8 81.925,92.8 73.425,96.05 74.175,96.05 74.925,96.05 72.675,96.8 73.425,96.8 74.175,96.8 74.925,96.8 70.425,97.55 71.175,97.55 71.925,97.55 72.675,97.55 73.425,97.55 74.175,97.55 74.925,97.55 70.425,98.3 71.175,98.3 71.925,98.3 72.675,98.3 73.425,98.3 74.175,98.3 74.925,98.3 72.675,99.05 73.425,99.05 74.175,99.05 74.925,99.05 73.425,99.8 74.175,99.8 74.925,99.8 78.175,102.8 78.925,102.8 79.675,102.8 80.425,102.8 81.175,102.8 81.925,102.8 78.175,103.55 78.925,103.55 79.675,103.55 80.425,103.55 81.175,103.55 81.925,103.55 78.175,104.3 78.925,104.3 79.675,104.3 80.425,104.3 81.175,104.3 81.925,104.3 78.175,105.05 78.925,105.05 79.675,105.05 80.425,105.05 81.175,105.05 81.925,105.05 78.175,105.8 78.925,105.8 79.675,105.8 80.425,105.8 81.175,105.8 81.925,105.8 78.175,106.55 78.925,106.55 79.675,106.55 80.425,106.55 81.175,106.55 81.925,106.55
VC-4: C42-4.2 C43-4.1 D41-4.1 Q41-4.5 U41-4.4 U41-4.5 U41-4.12 | length 9.5
  Top Layer w0.5: U41-4.12@143.35,98.085 U41-4.5@148.7,98.085 148.7,97.45 U41-4.4@148.7,96.815 149.05,96.815 U41-4.4@149.075,96.84 ; C43-4.1@145.5,88.45 145.5,90.925 145.525,90.95
  other v1: 138.025,88.7 138.775,88.7 139.525,88.7 140.275,88.7 141.025,88.7 141.775,88.7 138.025,89.45 138.775,89.45 139.525,89.45 140.275,89.45 141.025,89.45 141.775,89.45 138.025,90.2 138.775,90.2 139.525,90.2 140.275,90.2 141.025,90.2 141.775,90.2 138.025,90.95 138.775,90.95 139.525,90.95 140.275,90.95 141.025,90.95 141.775,90.95 138.025,91.7 138.775,91.7 139.525,91.7 140.275,91.7 141.025,91.7 141.775,91.7 138.025,92.45 138.775,92.45 139.525,92.45 140.275,92.45 141.025,92.45 141.775,92.45 145.025,95.45 145.775,95.45 146.525,95.45 145.025,96.2 145.775,96.2 146.525,96.2 147.275,96.2 145.025,96.95 145.775,96.95 146.525,96.95 147.275,96.95 148.025,96.95 148.775,96.95 149.525,96.95 145.025,97.7 145.775,97.7 146.525,97.7 147.275,97.7 148.025,97.7 148.775,97.7 149.525,97.7 145.025,98.45 145.775,98.45 146.525,98.45 147.275,98.45 145.025,99.2 145.775,99.2 146.525,99.2 138.025,102.45 138.775,102.45 139.525,102.45 140.275,102.45 138.025,103.2 138.775,103.2 139.525,103.2 140.275,103.2 138.025,103.95 138.775,103.95 139.525,103.95 140.275,103.95 138.025,104.65 138.825,104.65 139.525,104.65 140.225,104.65 138,105.4 138.8,105.4 139.5,105.4 140.2,105.4 138,106.1 138.8,106.1 139.5,106.1 140.2,106.1
pads on no net: J6.3 J6.5 J6.6 J6.8 J7.3 J7.4 J7.5 R45-1.1 R45-2.1 R45-3.1 R45-4.1 SW?.1 SW?.4 U1.2 U1.3 U1.4 U1.13 U1.17 U1.22 U1.23 U1.31 U1.39 U1.40 U1.41
copper on no net:
  other v2: 80,60 140,60 81.047,75.495 138.982,75.479 81.047,144.505 138.953,144.505 80,160 140,160

## Polygon pours and split planes (outlines as drawn)
+12V on Top Layer "NONET_L01_P345" (solid, shelved, pour order 345): 83.5,107.55 76.9,107.55 76.9,88.05 83.5,88.05 83.5,85.5 53.7,85.5 53.599,136.8 87.3,136.8 87.3,132.3 77,132.3 77,112.8 83.5,112.8
+12V on Top Layer "Top Layer-+12V" (solid, shelved, pour order 290): 64.75,136.8 53.689,136.8 53.689,154 90,175 130.05,175 166.311,154 166.311,148.85 166.311,136.5 133.5,136.5 133.5,122.5 97.274,122.5 97.274,135.339 94.766,135.339 94.766,122.466 94.75,122.5 87.196,122.5 87.25,136.8
NetQ31_G on Top Layer "NONET_L01_P350" (solid, shelved, pour order 350): 122.5,123.3 124.3,123.3 124.3,120.2 122.5,120.2
GND on Top Layer "NONET_L01_P284" (solid, shelved, pour order 284): 118.25,123.6 118.25,136.5 118.3,136.5 130,136.5 130,129.8 124.3,129.8 124.3,123.6
+12V on Top Layer "NONET_L01_P346" (solid, shelved, pour order 346): 166.136,83.126 166.25,66.2 139.7,50.9 137,50.9 137,87.626 142.735,87.626 142.735,107.15 136.235,107.15 136.235,112.326 142.835,112.326 142.835,131.876 136.235,131.876 136.235,136.85 166.031,136.85
GND on Top Layer "NONET_L01_P348" (solid, shelved, pour order 348): 103.4,107.5 103.4,46.5 116.7,46.5 116.7,107.5
OUTA-3 on Top Layer "NONET_L01_P312" (solid, shelved, pour order 312): 69.175,94.05 69.175,88.3 63.65,88.3 63.65,97.8 69.175,97.8 69.175,96.3 71.675,96.3 72.825,95.15 78.425,95.15 78.425,94.05
+12V on Top Layer "NONET_L01_P347" (solid, shelved, pour order 347): 115.9,123.3 115.9,113 122.3,113 122.3,123.3
GND on Top Layer "NONET_L01_P296" (solid, shelved, pour order 296): 77.175,101.8 77.175,102.8 73.675,102.8 73.675,107.3 69.425,107.3 69.425,101.8
GND on Top Layer "NONET_L01_P300" (solid, shelved, pour order 300): 69.425,93.8 78.425,93.8 78.425,88.3 69.425,88.3
VC-3 on Top Layer "NONET_L01_P304" (solid, shelved, pour order 304): 69.425,99.05 69.425,96.55 71.675,96.55 72.925,95.3 75.425,95.3 75.425,100.3 72.925,100.3 71.675,99.05
OUTB-3 on Top Layer "NONET_L01_P308" (solid, shelved, pour order 308): 69.175,99.3 69.175,98.05 63.65,98.05 63.65,107.3 69.175,107.3 69.175,101.55 78.425,101.55 78.425,100.55 72.675,100.55 71.425,99.3
VC-3 on Top Layer "NONET_L01_P316" (solid, shelved, pour order 316): 75.175,98.05 78.425,98.05 78.425,96.3 75.175,96.3
VC-3 on Top Layer "NONET_L01_P332" (solid, shelved, pour order 332): 82.675,107.3 77.175,107.3 77.175,106.05 73.925,106.05 73.925,103.05 77.425,103.05 77.425,102.2 82.675,102.2
VC-3 on Top Layer "NONET_L01_P336" (solid, shelved, pour order 336): 78.725,93.35 82.675,93.35 82.675,88.3 78.725,88.3
GND on Top Layer "NONET_L01_P295" (solid, shelved, pour order 295): 142.775,93.45 142.775,92.45 146.275,92.45 146.275,87.95 150.525,87.95 150.525,93.45
GND on Top Layer "NONET_L01_P299" (solid, shelved, pour order 299): 150.525,101.45 141.525,101.45 141.525,106.95 150.525,106.95
VC-4 on Top Layer "NONET_L01_P303" (solid, shelved, pour order 303): 150.525,96.2 150.525,98.7 148.275,98.7 147.025,99.95 144.525,99.95 144.525,94.95 147.025,94.95 148.275,96.2
OUTB-4 on Top Layer "NONET_L01_P307" (solid, shelved, pour order 307): 150.775,95.95 150.775,97.2 156.3,97.2 156.3,87.95 150.775,87.95 150.775,93.7 141.525,93.7 141.525,94.7 147.275,94.7 148.525,95.95
OUTA-4 on Top Layer "NONET_L01_P311" (solid, shelved, pour order 311): 150.775,101.2 150.775,106.95 156.3,106.95 156.3,97.45 150.775,97.45 150.775,98.95 148.275,98.95 147.125,100.1 141.525,100.1 141.525,101.2
VC-4 on Top Layer "NONET_L01_P315" (solid, shelved, pour order 315): 144.775,97.2 141.525,97.2 141.525,98.95 144.775,98.95
VC-4 on Top Layer "NONET_L01_P331" (solid, shelved, pour order 331): 137.275,87.95 142.775,87.95 142.775,89.2 146.025,89.2 146.025,92.2 142.525,92.2 142.525,93.05 137.275,93.05
VC-4 on Top Layer "NONET_L01_P335" (solid, shelved, pour order 335): 141.225,101.85 137.275,101.85 137.275,106.95 141.225,106.95
GND on Top Layer "NONET_L01_P294" (solid, shelved, pour order 294): 77.15,126.55 77.15,127.55 73.65,127.55 73.65,132.05 69.4,132.05 69.4,126.55
GND on Top Layer "NONET_L01_P298" (solid, shelved, pour order 298): 69.4,118.55 78.4,118.55 78.4,113.05 69.4,113.05
VC-1 on Top Layer "NONET_L01_P302" (solid, shelved, pour order 302): 69.4,123.8 69.4,121.3 71.65,121.3 72.9,120.05 75.4,120.05 75.4,125.05 72.9,125.05 71.65,123.8
OUTB-1 on Top Layer "NONET_L01_P306" (solid, shelved, pour order 306): 69.15,124.05 69.15,122.8 63.625,122.8 63.625,132.05 69.15,132.05 69.15,126.3 78.4,126.3 78.4,125.3 72.65,125.3 71.4,124.05
OUTA-1 on Top Layer "NONET_L01_P310" (solid, shelved, pour order 310): 69.15,118.8 69.15,113.05 63.625,113.05 63.625,122.55 69.15,122.55 69.15,121.05 71.65,121.05 72.8,119.9 78.4,119.9 78.4,118.8
VC-1 on Top Layer "NONET_L01_P314" (solid, shelved, pour order 314): 75.15,122.8 78.4,122.8 78.4,121.05 75.15,121.05
VC-1 on Top Layer "NONET_L01_P330" (solid, shelved, pour order 330): 82.65,132.05 77.15,132.05 77.15,130.8 73.9,130.8 73.9,127.8 77.4,127.8 77.4,126.95 82.65,126.95
VC-1 on Top Layer "NONET_L01_P334" (solid, shelved, pour order 334): 78.7,118.15 82.65,118.15 82.65,113.05 78.7,113.05
GND on Top Layer "NONET_L01_P297" (solid, shelved, pour order 297): 150.5,126.175 141.5,126.175 141.5,131.675 150.5,131.675
VC-2 on Top Layer "NONET_L01_P333" (solid, shelved, pour order 333): 141.2,126.55 137.25,126.55 137.25,131.675 141.2,131.675
OUTB-2 on Top Layer "NONET_L01_P305" (solid, shelved, pour order 305): 150.75,120.675 150.75,121.925 156.275,121.925 156.275,112.675 150.75,112.675 150.75,118.425 141.5,118.425 141.5,119.425 147.25,119.425 148.5,120.675
OUTA-2 on Top Layer "NONET_L01_P309" (solid, shelved, pour order 309): 150.75,125.925 150.75,131.675 156.275,131.675 156.275,122.175 150.75,122.175 150.75,123.675 148.25,123.675 147.1,124.825 141.5,124.825 141.5,125.925
VC-2 on Top Layer "NONET_L01_P329" (solid, shelved, pour order 329): 137.25,112.675 142.75,112.675 142.75,113.925 146,113.925 146,116.925 142.5,116.925 142.5,117.8 137.25,117.8
VC-2 on Top Layer "NONET_L01_P301" (solid, shelved, pour order 301): 150.5,120.925 150.5,123.425 148.25,123.425 147,124.675 144.5,124.675 144.5,119.675 147,119.675 148.25,120.925
GND on Top Layer "NONET_L01_P293" (solid, shelved, pour order 293): 142.75,118.175 142.75,117.175 146.25,117.175 146.25,112.675 150.5,112.675 150.5,118.175
VC-2 on Top Layer "NONET_L01_P313" (solid, shelved, pour order 313): 144.75,121.925 141.5,121.925 141.5,123.675 144.75,123.675
GND on Top Layer "NONET_L01_P292" (solid, shelved, pour order 292): 95.018,113 95.018,122.015 95.025,135.08 97.015,135.08 97.015,122.015 97,122 115.5,122 115.5,113
GND on Top Layer "NONET_L01_P291" (solid, shelved, pour order 291): 95,135.1 97.05,135.1 97.05,122.5 95,122.5
+48V on Top Layer "NONET_L01_P288" (solid, shelved, pour order 288): 115,136.75 115,143.8 130,143.8 130,136.75
NetD32_A on Top Layer "NONET_L01_P287" (solid, shelved, pour order 287): 128.25,129.5 133.25,129.5 133.25,122.5 128.25,122.5
NetQ32_3 on Top Layer "NONET_L01_P285" (solid, shelved, pour order 285): 128,129.5 124.75,129.5 124.75,120.2 128,120.2
NetR21_2 on Top Layer "NONET_L01_P283" (solid, shelved, pour order 283): 113,129.95 116.25,129.95 116.25,125.75 113,125.75
+12V on Top Layer "NONET_L01_P282" (solid, shelved, pour order 282): 107.2,129.95 107.2,125.8 103.3,125.8 103.25,125.85 103.25,129.95
GND on Bottom Layer "NONET_L02_P280" (solid, shelved, pour order 280): 90,175 80.35,169.424 80.35,141.5 139.25,141.5 139.25,169.65 130,175
GND on Bottom Layer "NONET_L02_P281" (solid, shelved, pour order 281): 85.8,112.673 134.1,112.725 134.1,47.389 130,45 90,45 85.8,47.447
GND on Bottom Layer "NONET_L02_P278" (solid, shelved, pour order 278): 136.25,87.7 156.5,87.7 156.5,107.25 136.25,107.25 136.25,112.4 156.5,112.4 156.5,131.949 136.25,131.949 136.25,171.321 166.311,153.991 166.311,66.044 136.25,48.678
GND on Bottom Layer "NONET_L02_P279" (solid, shelved, pour order 279): 63.5,112.75 83.5,112.75 83.5,107.5 63.5,107.5 63.5,88 82.75,88 82.75,49.199 53.689,66 53.689,154 80.5,169.5 80.5,132.326 63.576,132.326 63.5,132.25
GND on Bottom Layer "NONET_L02_P349" (solid, shelved, pour order 349): 94.991,122.497 94.991,113 123.75,113 123.75,122.5
VC-4 on Bottom Layer "Bottom Layer-VC" (solid, shelved, pour order 320): 142.525,106.95 137.275,106.95 137.275,87.95 142.775,87.95 142.775,93.2 140.275,93.2 140.275,94.2 146.275,94.2 148.275,96.2 150.525,96.2 150.525,98.7 148.775,98.7 146.775,100.7 140.275,100.7 140.275,101.7 142.525,101.7
GND on Bottom Layer "NONET_L02_P289" (solid, shelved, pour order 289): 139.7,131.953 139.7,137.838 80.5,137.838 80.5,132.305 87.25,132.296 87.25,122.5 133.5,122.5 133.5,131.944
VC-3 on Bottom Layer "Bottom Layer-VC" (solid, shelved, pour order 319): 77.425,88.3 82.675,88.3 82.675,107.3 77.175,107.3 77.175,102.05 79.675,102.05 79.675,101.05 73.675,101.05 71.675,99.05 69.425,99.05 69.425,96.55 71.175,96.55 73.175,94.55 79.675,94.55 79.675,93.55 77.425,93.55
OUTB-3 on Bottom Layer "NONET_L02_P324" (solid, shelved, pour order 324): 63.675,107.3 69.175,107.3 69.175,98.05 63.675,98.05
OUTA-3 on Bottom Layer "NONET_L02_P328" (solid, shelved, pour order 328): 63.675,97.8 69.175,97.8 69.175,88.3 63.675,88.3
GND on Bottom Layer "NONET_L02_P340" (solid, shelved, pour order 340): 69.425,107.5 76.925,107.5 76.925,102.05 72.675,102.05 72.425,101.8 69.425,101.8
GND on Bottom Layer "NONET_L02_P344" (solid, shelved, pour order 344): 69.425,93.8 72.675,93.8 72.925,93.55 77.175,93.55 77.175,88 69.425,88
OUTB-4 on Bottom Layer "NONET_L02_P323" (solid, shelved, pour order 323): 156.275,87.95 150.775,87.95 150.775,97.2 156.275,97.2
OUTA-4 on Bottom Layer "NONET_L02_P327" (solid, shelved, pour order 327): 156.275,97.45 150.775,97.45 150.775,106.95 156.275,106.95
GND on Bottom Layer "NONET_L02_P339" (solid, shelved, pour order 339): 150.525,87.7 143.025,87.7 143.025,93.2 147.275,93.2 147.525,93.45 150.525,93.45
GND on Bottom Layer "NONET_L02_P343" (solid, shelved, pour order 343): 150.525,101.45 147.275,101.45 147.025,101.7 142.775,101.7 142.775,107.3 150.525,107.3
VC-1 on Bottom Layer "Bottom Layer-VC" (solid, shelved, pour order 318): 77.4,113.05 82.65,113.05 82.65,132.05 77.15,132.05 77.15,126.8 79.65,126.8 79.65,125.8 73.65,125.8 71.65,123.8 69.4,123.8 69.4,121.3 71.15,121.3 73.15,119.3 79.65,119.3 79.65,118.3 77.4,118.3
OUTB-1 on Bottom Layer "NONET_L02_P322" (solid, shelved, pour order 322): 63.65,132.05 69.15,132.05 69.15,122.8 63.65,122.8
OUTA-1 on Bottom Layer "NONET_L02_P326" (solid, shelved, pour order 326): 63.65,122.55 69.15,122.55 69.15,113.05 63.65,113.05
GND on Bottom Layer "NONET_L02_P338" (solid, shelved, pour order 338): 69.4,132.35 76.9,132.35 76.9,126.8 72.65,126.8 72.4,126.55 69.4,126.55
GND on Bottom Layer "NONET_L02_P342" (solid, shelved, pour order 342): 69.4,118.55 72.65,118.55 72.9,118.3 77.15,118.3 77.15,112.75 69.4,112.75
GND on Bottom Layer "NONET_L02_P341" (solid, shelved, pour order 341): 150.5,126.175 147.25,126.175 147,126.425 142.75,126.425 142.75,132 150.5,132
VC-2 on Bottom Layer "Bottom Layer-VC" (solid, shelved, pour order 317): 142.5,131.675 137.25,131.675 137.25,112.675 142.75,112.675 142.75,117.925 140.25,117.925 140.25,118.925 146.25,118.925 148.25,120.925 150.5,120.925 150.5,123.425 148.75,123.425 146.75,125.425 140.25,125.425 140.25,126.425 142.5,126.425
GND on Bottom Layer "NONET_L02_P337" (solid, shelved, pour order 337): 150.5,112.35 143,112.35 143,117.925 147.25,117.925 147.5,118.175 150.5,118.175
OUTA-2 on Bottom Layer "NONET_L02_P325" (solid, shelved, pour order 325): 156.25,122.175 150.75,122.175 150.75,131.675 156.25,131.675
OUTB-2 on Bottom Layer "NONET_L02_P321" (solid, shelved, pour order 321): 156.25,112.675 150.75,112.675 150.75,121.925 156.25,121.925

## Silkscreen, mask and mechanical layers (free items; w line width, h text height)
Top Overlay:
  drawing of 33 lines, arcs and shapes, not listed
  text "CAP" at 57.854,145.454 h1
  text "KICK" at 159.054,145.254 h1
  text "M2" at 157.254,129.504 h1
  text "G" at 91.954,119.354 h1
  text "BZ" at 91.354,114.554 h1
  text "M1" at 61.254,114.254 h1
  text "OPTO" at 112.654,107.254 h1
  text "M4" at 157.254,104.754 h1
  text "RX-C" at 103.754,104.654 h1
  text "B" at 85.654,103.054 h1
  text "R" at 99.654,103.054 h1
  text "TV" at 119.154,103.054 h1
  text "B" at 133.654,102.954 h1
  text "TX-C" at 103.754,102.154 h1
  text "ESC" at 113.654,102.054 h1
  text "B" at 85.654,100.454 h1
  text "T" at 99.654,100.454 h1
  text "T" at 119.654,100.454 h1
  text "B" at 133.654,100.454 h1
  text "INA-1" at 103.754,99.654 h1
  text "TX-T" at 112.754,99.654 h1
  text "G" at 85.654,97.954 h1
  text "R" at 119.654,97.954 h1
  text "G" at 133.654,97.954 h1
  text "G" at 99.654,97.854 h1
  text "PWM-1" at 103.754,97.154 h1
  text "RX-T" at 112.754,97.154 h1
  text "INB-1" at 103.654,94.554 h1
  text "REV" at 113.654,94.454 h1
  text "INB-2" at 112.154,92.054 h1
  text "CAM" at 91.654,91.954 h1
  text "BALL" at 128.554,91.854 h1
  text "PWM-2" at 112.154,89.554 h1
  text "M3" at 61.254,89.504 h1
  text "INA-2" at 112.154,86.954 h1
  text "G" at 103.654,84.354 h1
  text "3V" at 114.754,84.354 h1
  text "B-1" at 114.254,81.854 h1
  text "INA-3" at 103.654,79.354 h1
  text "INB-4" at 112.154,79.354 h1
  text "B2" at 119.154,78.054 h1
  text "G" at 85.154,77.954 h1
  text "G" at 99.654,77.954 h1
  text "3V" at 133.654,77.954 h1
  text "PWM-3" at 103.654,76.854 h1
  text "PWM-4" at 112.154,76.854 h1
  text "R" at 119.554,75.554 h1
  text "3V" at 84.754,75.454 h1
  text "A" at 99.654,75.454 h1
  text "G" at 133.654,75.454 h1
  text "INB-3" at 103.654,74.274 h1
  text "INA-4" at 112.154,74.254 h1
  text "ESC" at 159.854,73.954 h1
  text "3V" at 84.754,72.954 h1
  text "L" at 99.654,72.954 h1
  text "T" at 119.454,72.954 h1
  text "B1" at 133.654,72.854 h1
  text "3.7V" at 56.454,72.154 h1
  text "RX-I" at 113.054,71.754 h1
  text "TX-I" at 113.054,69.254 h1
  text "SDA" at 103.654,69.154 h1
  text "SCL" at 103.654,66.654 h1
  text "B-2" at 113.754,66.654 h1
  text "IMU" at 125.854,66.454 h1
  text "USS" at 91.754,65.854 h1
  text "TX-L" at 103.654,64.154 h1
  text "RX-L" at 103.654,61.554 h1
  text "12V" at 149.354,61.354 h1
  text "BOT" at 63.854,60.854 h1
  text "MID" at 68.954,60.854 h1
  text "TOP" at 73.954,60.854 h1
  text "3V" at 103.654,53.854 h1
  text "TX-D" at 112.154,53.854 h1
  text "G" at 103.654,51.354 h1
  text "RX-D" at 112.154,51.354 h1
  text "D-3V" at 92.254,50.754 h1
  text "D-UART" at 123.254,50.754 h1
  text "MV" at 103.654,48.854 h1
  text "G" at 115.254,48.854 h1
Bottom Overlay:
  drawing of 9 lines, arcs and shapes, not listed
  text "B" at 86.346,68.054 h1
  text "B" at 100.246,67.954 h1
  text "G" at 86.346,65.554 h1
  text "T" at 100.246,65.454 h1
  text "BV" at 86.346,63.054 h1
  text "R" at 100.246,62.954 h1
Drill Drawing:
  lines w0.2: 53.7,110 110,110 110,45 ; 92.6,66 92.6,110

## Text inside footprints (layer, text, board x,y; h text height)
Q31: Top Overlay "*" at 122.952,127.276 h1.27; Top 3D Body "*" at 124.318,126.095 h1.27